# Altium PCB PCBV2.PcbDoc
Units mm, origin at the board's own origin, x right, y up, seen from the top; angles counter-clockwise.
Board outline 46.9 x 40.12 mm, 4 copper layers (Top Layer, GND, GND_2, Bottom Layer), stack 1.556 mm thick; 68 components, 70 nets, 286 pads, 447 vias.
Unrouted connection lines stored in the file: 1.
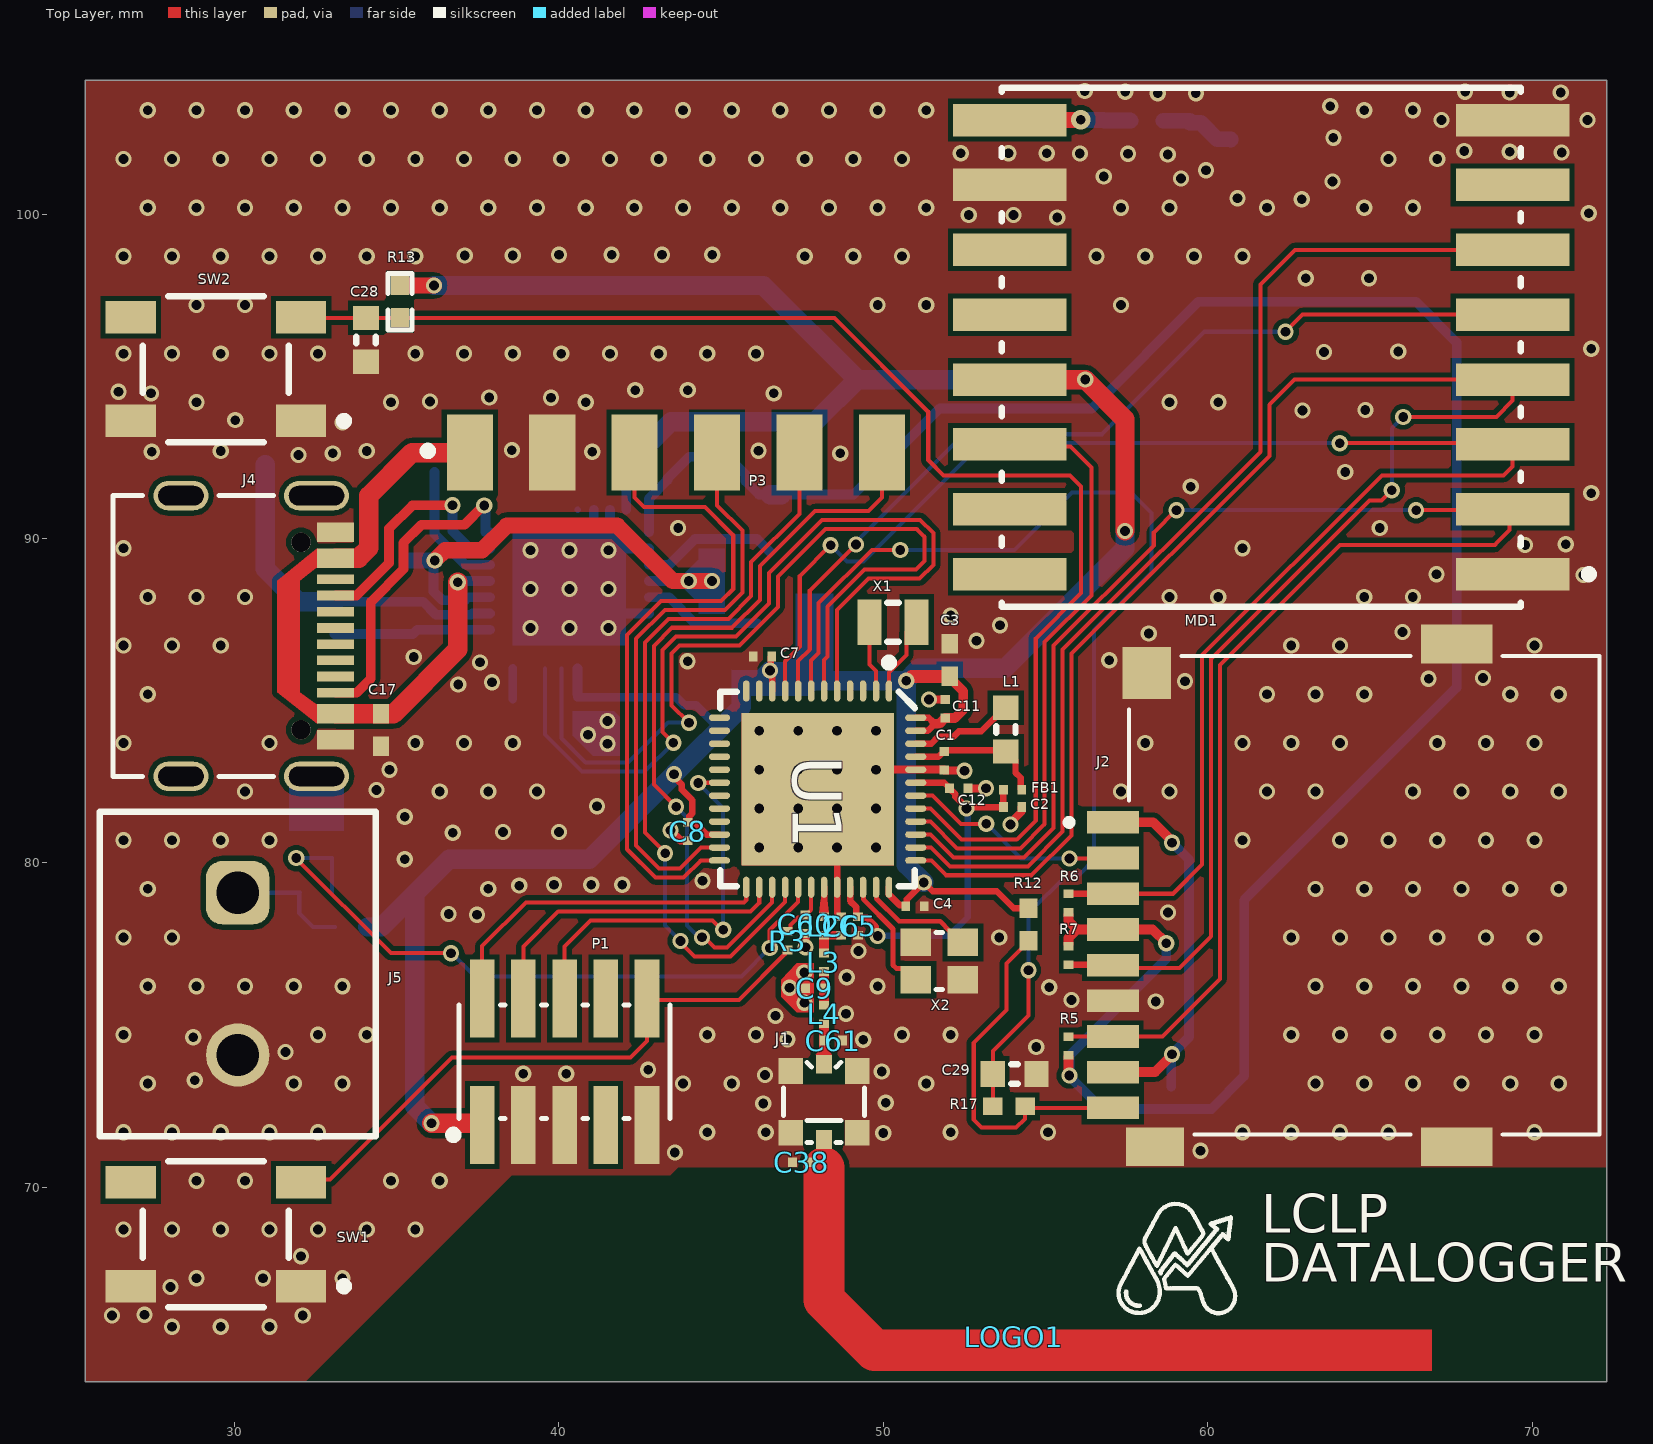
[diagram p0: Top Layer view]
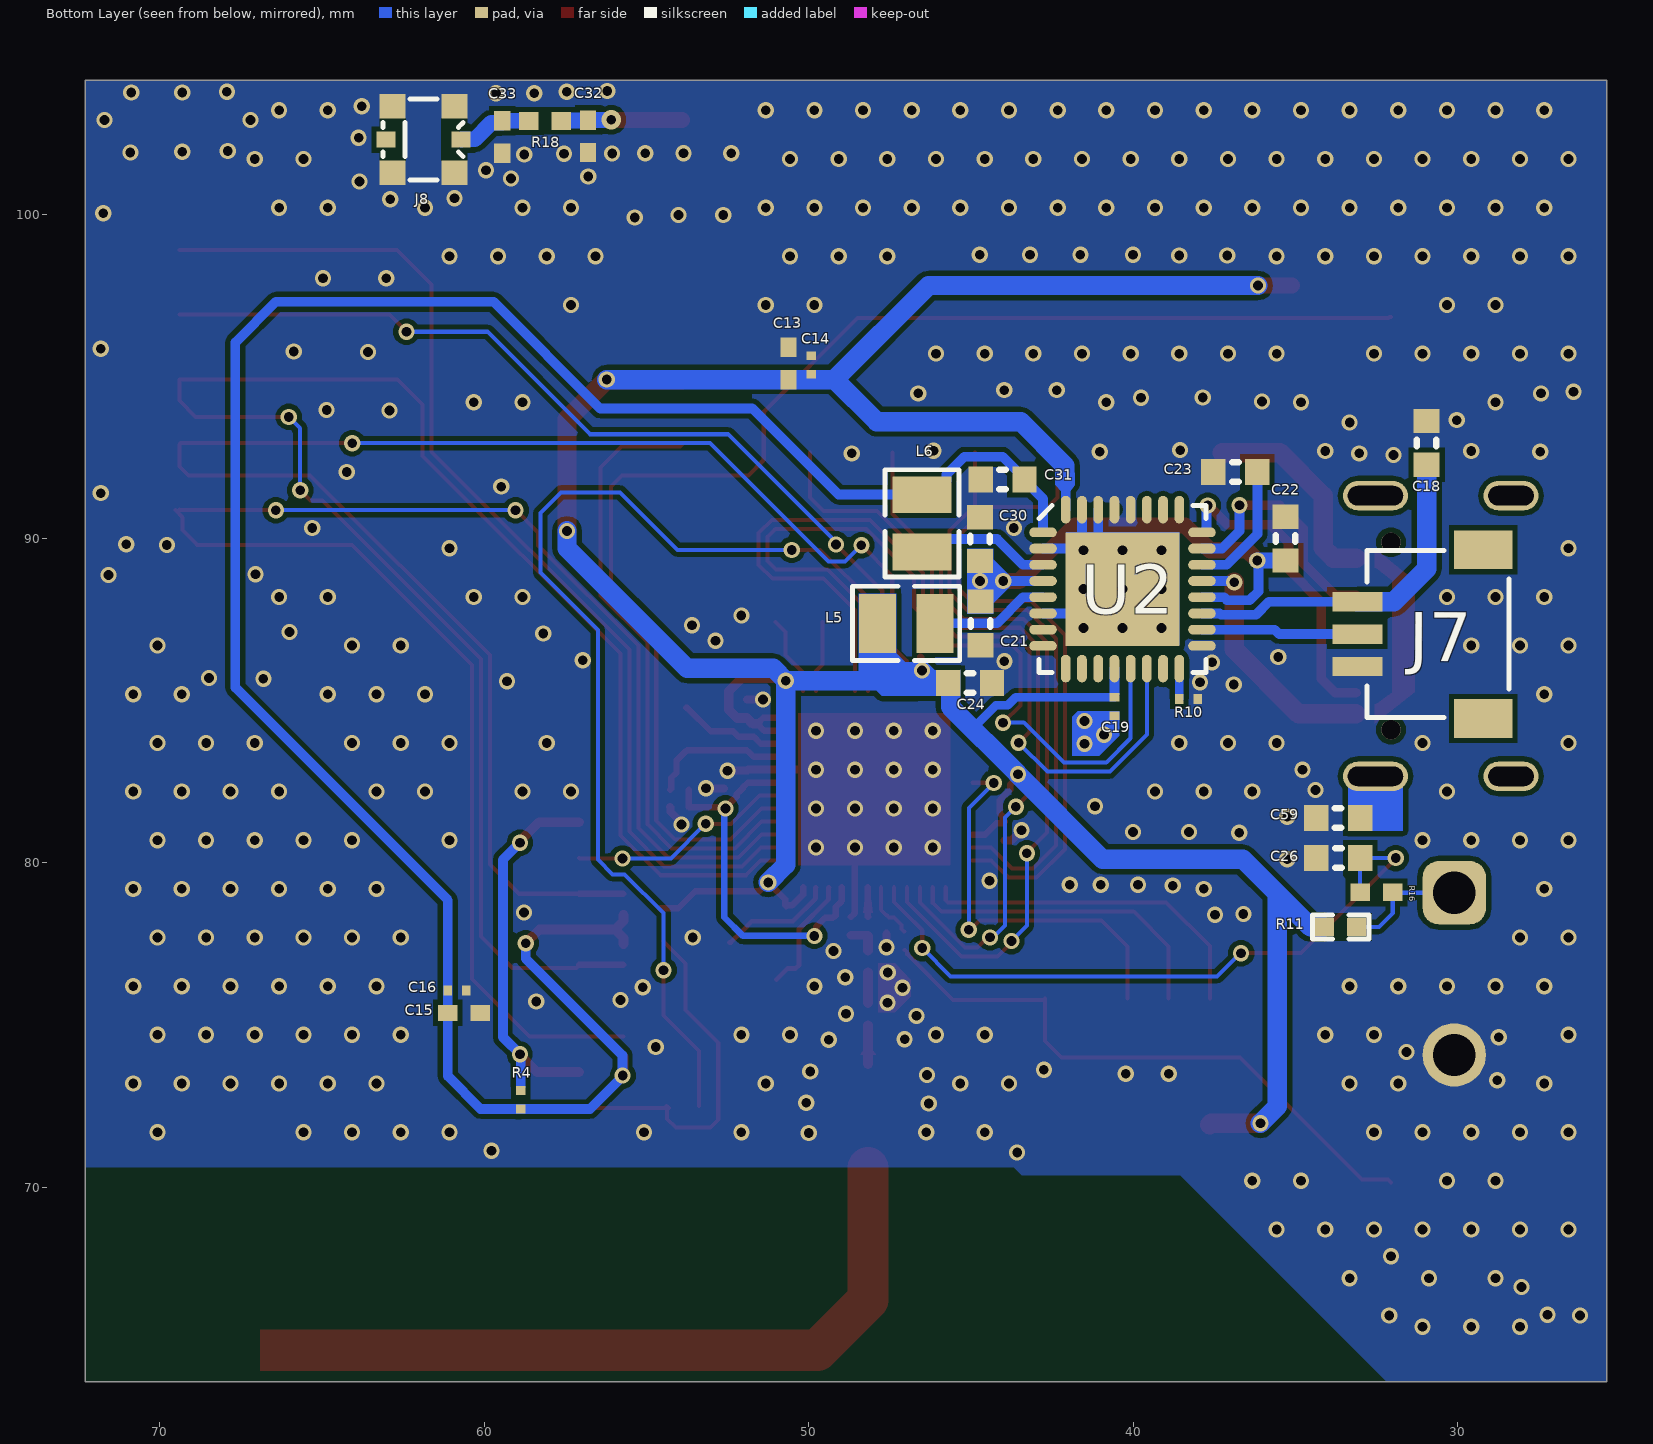
[diagram p1: Bottom Layer view, seen from below]
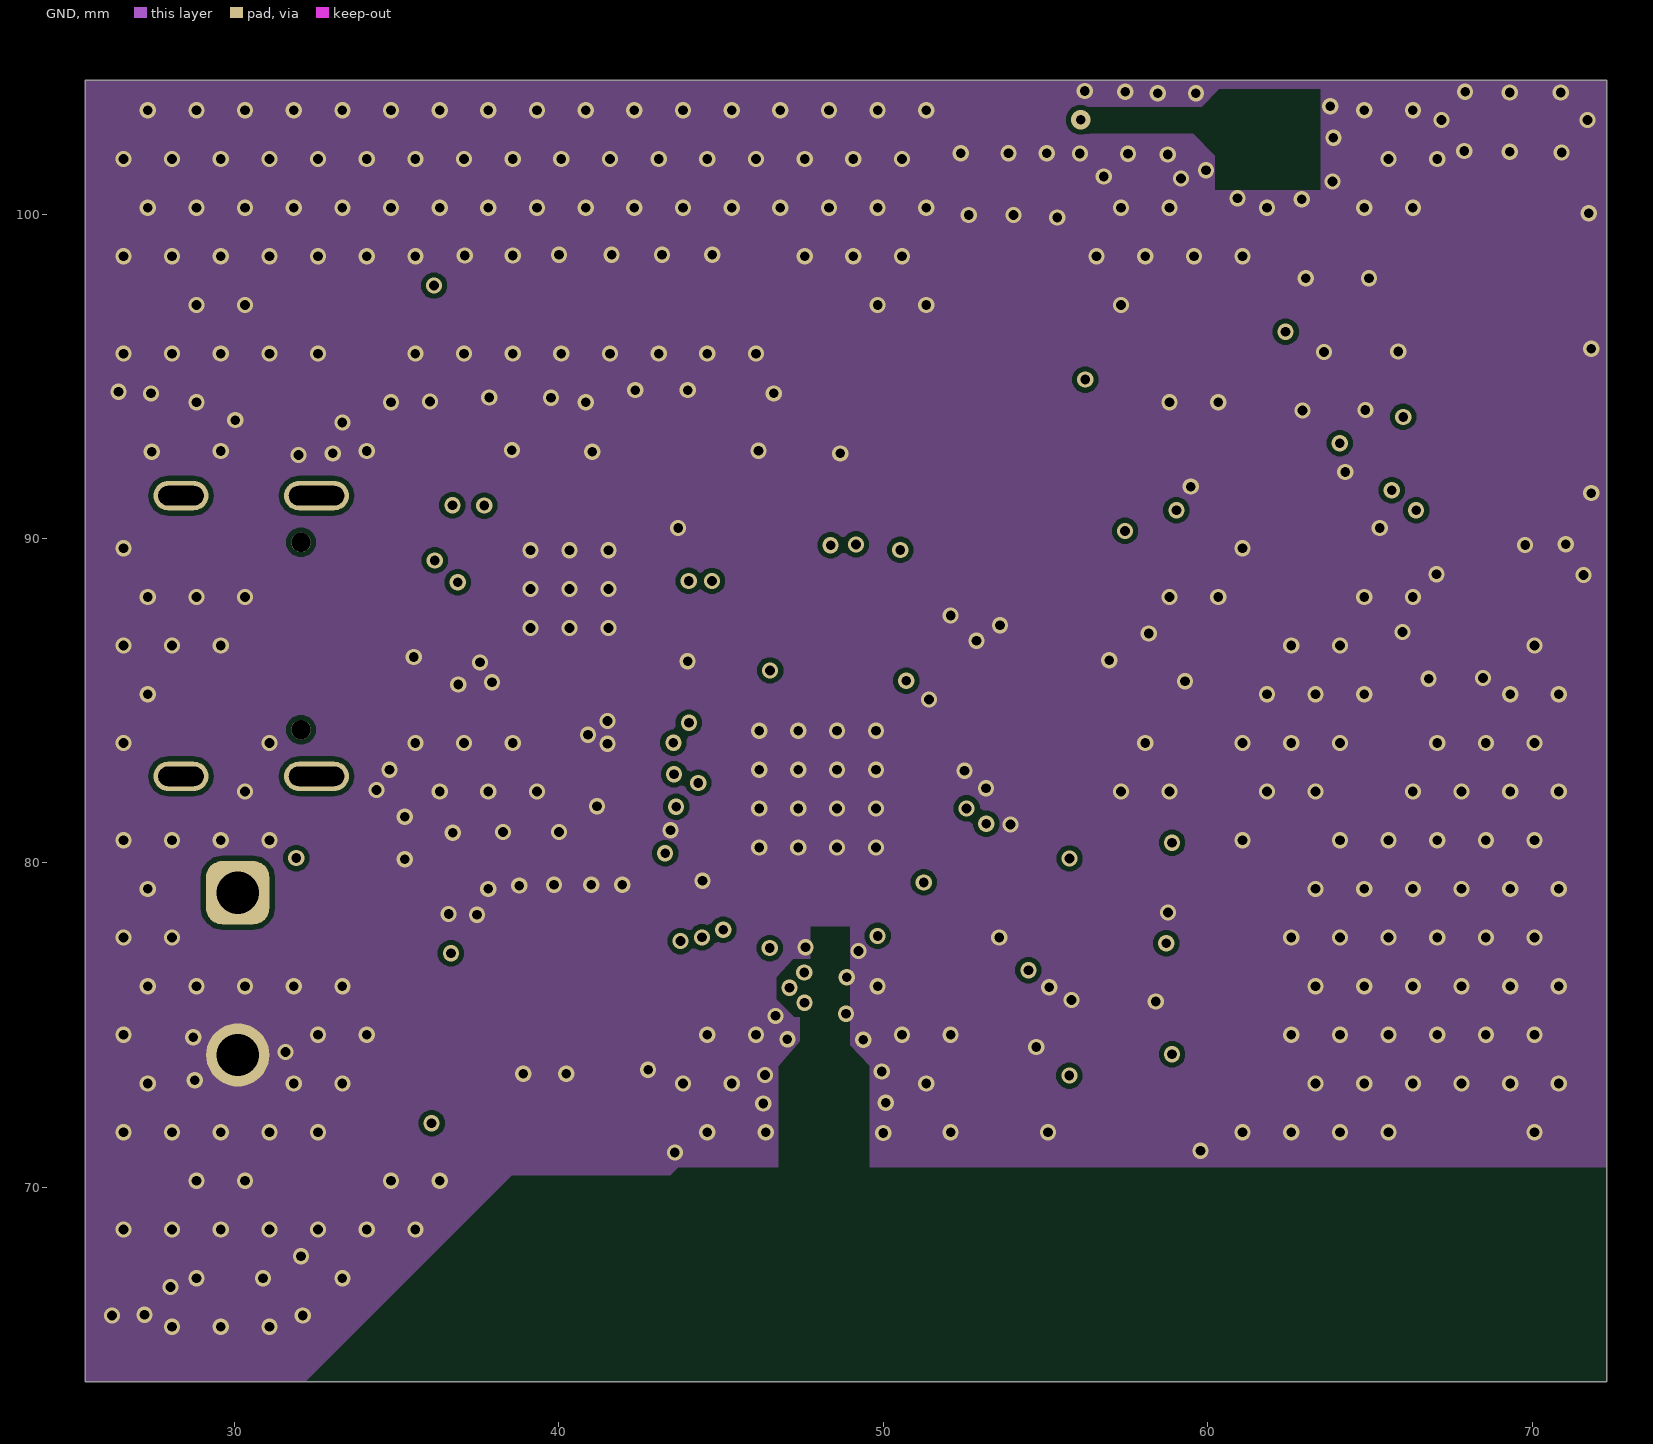
[diagram p2: GND]
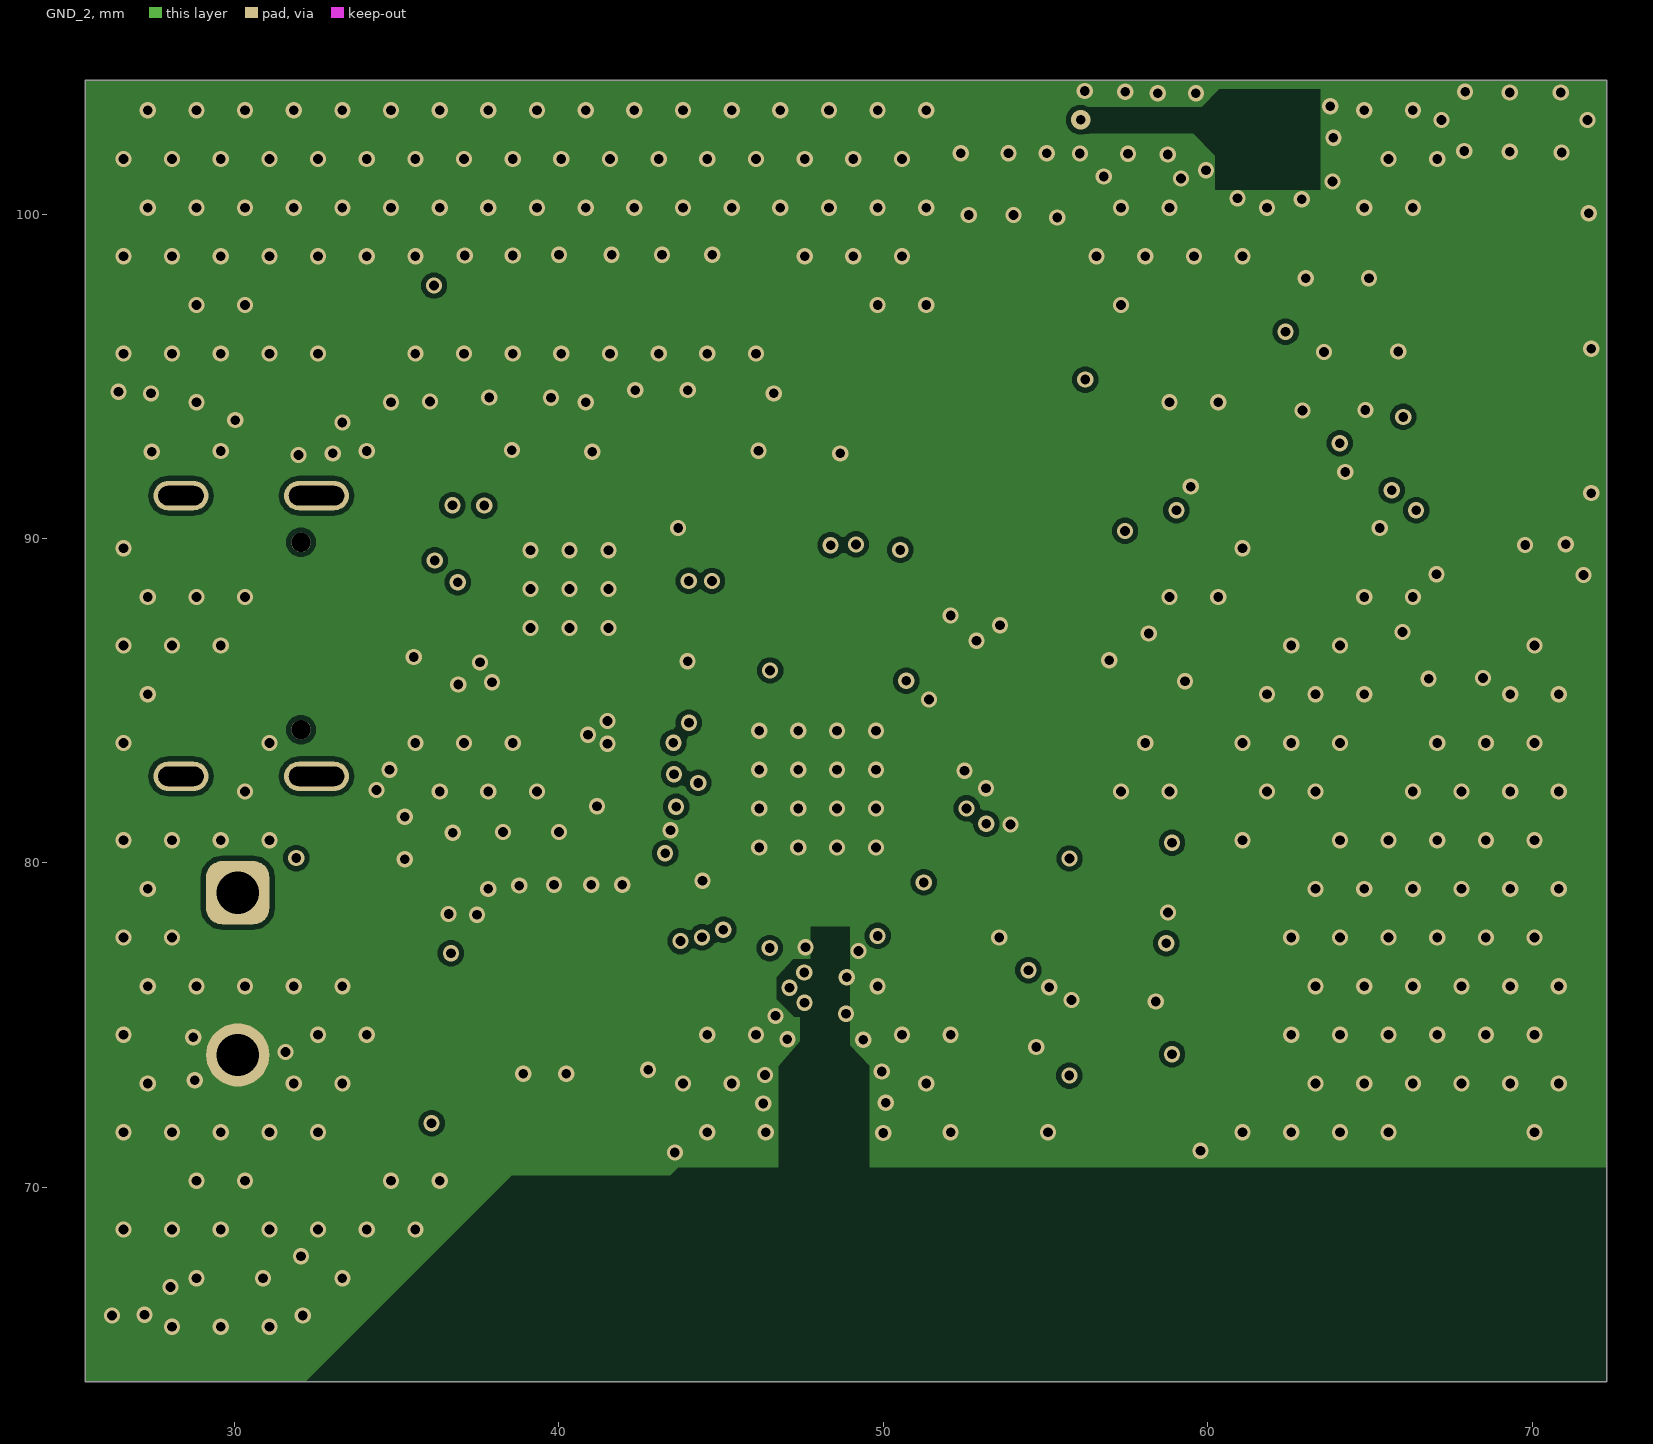
[diagram p3: GND_2]
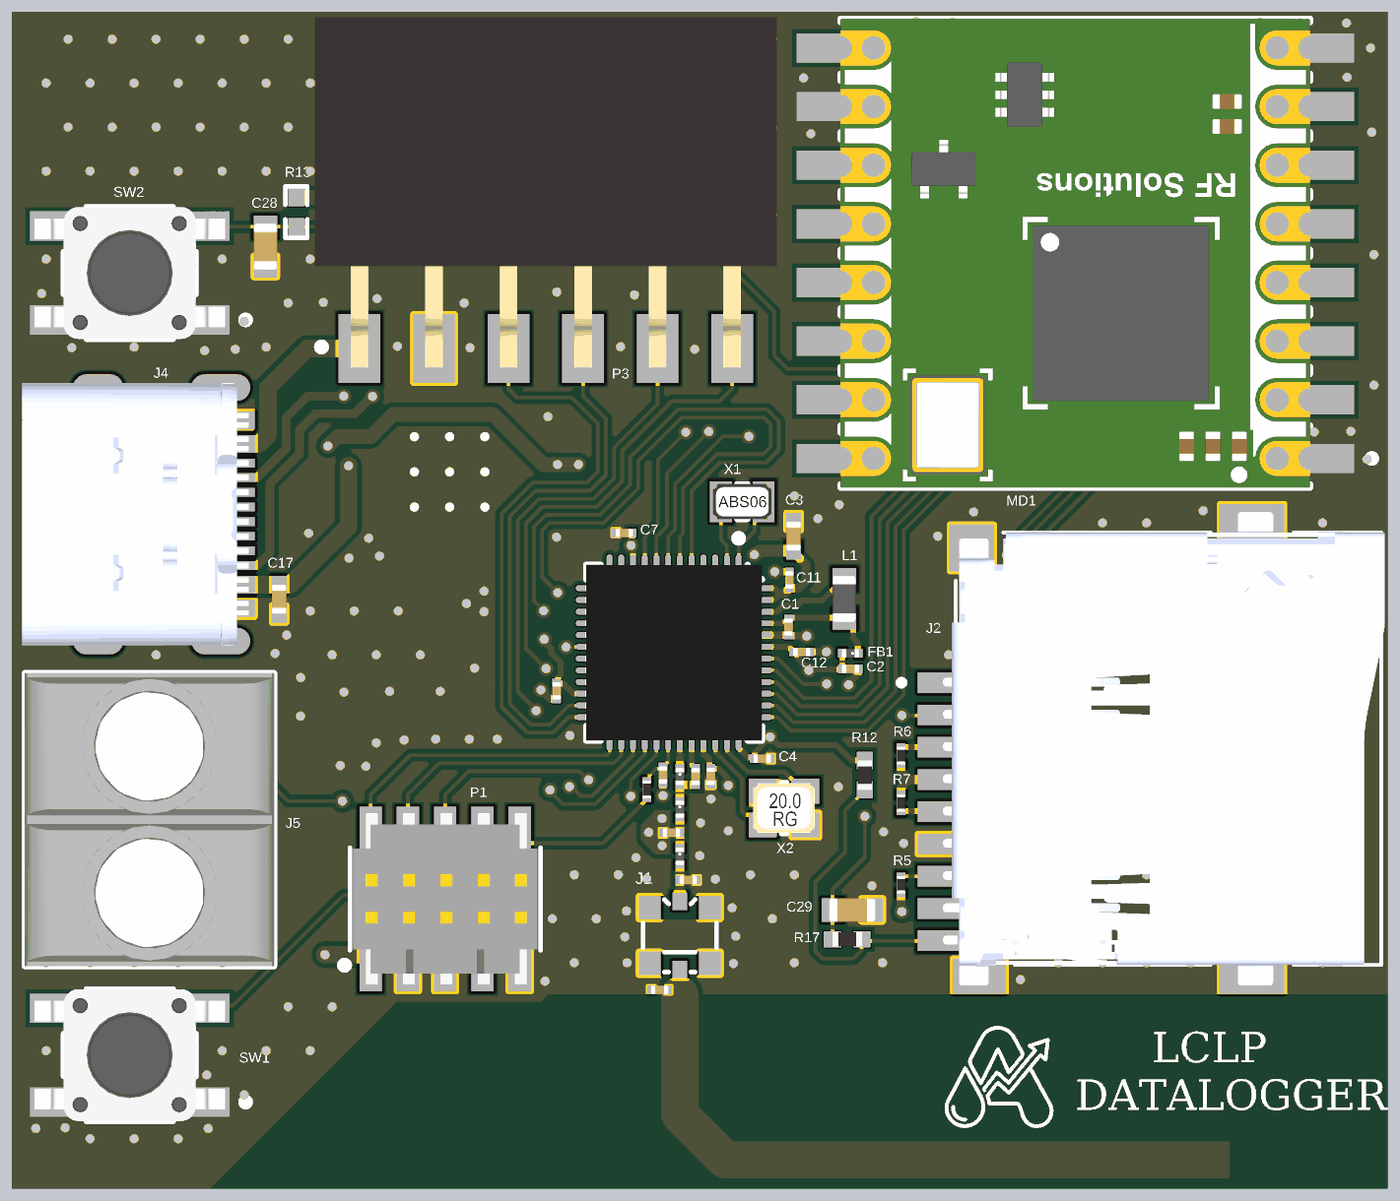
[diagram p4: 3D render of the assembled board from above, using the file's embedded part models]
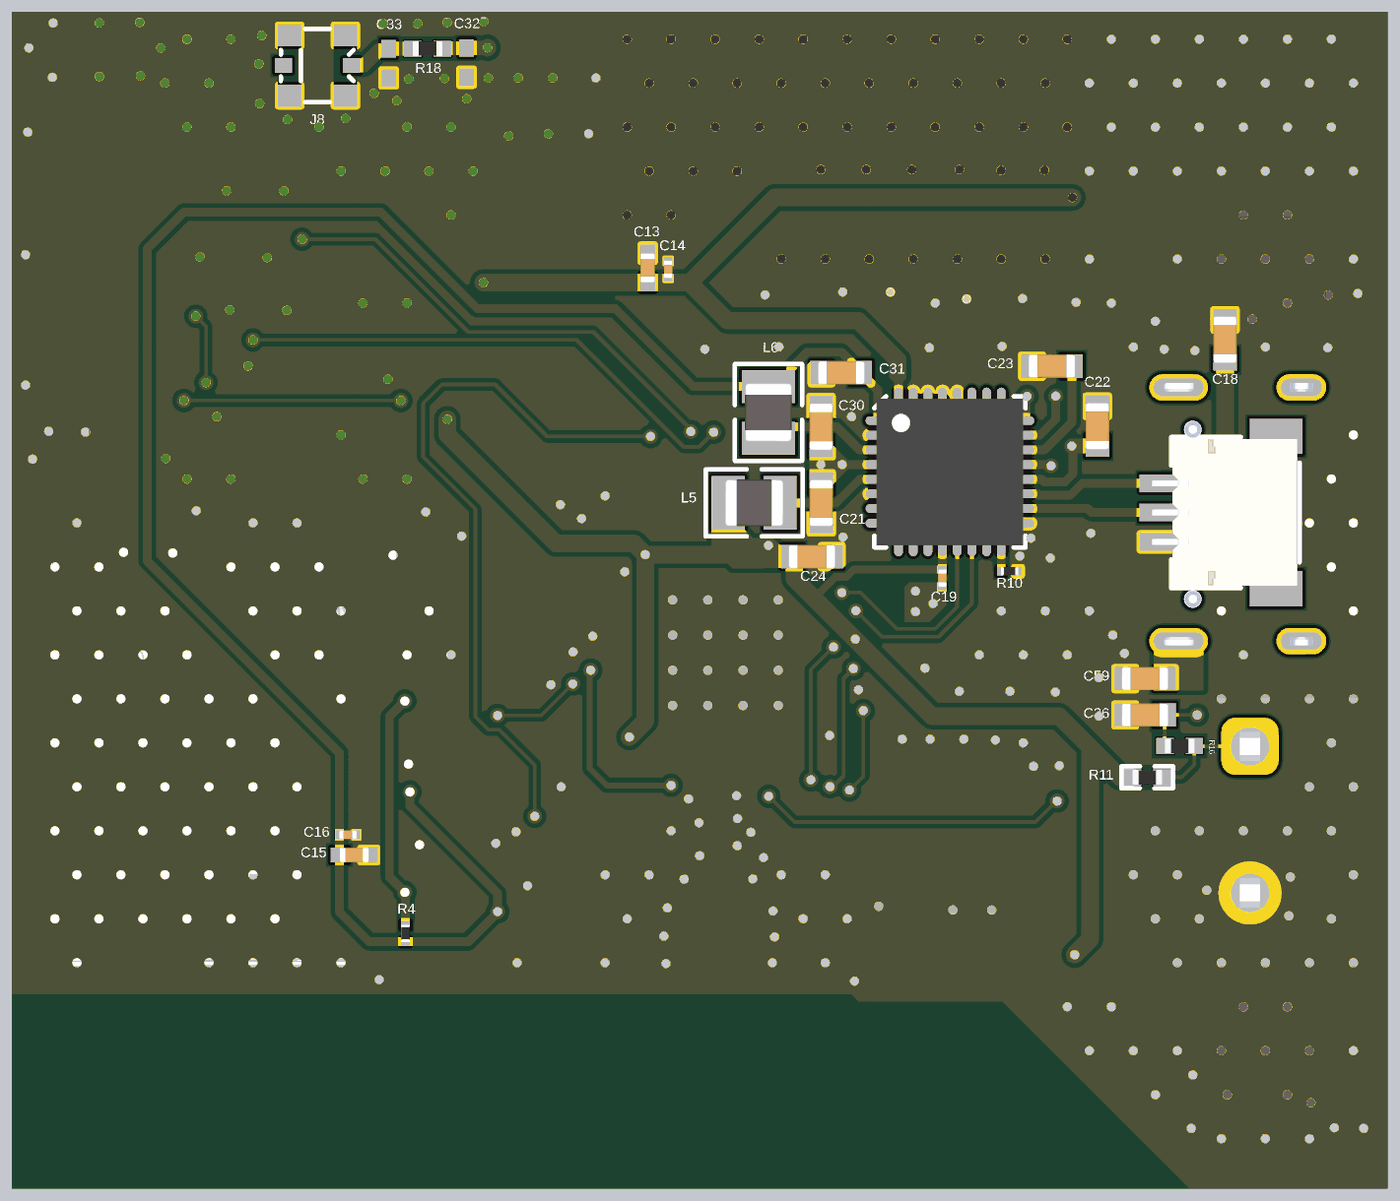
[diagram p5: 3D render of the assembled board from below, using the file's embedded part models]

## Layer stack, top to bottom
Top Solder: solder mask 0.0102, Solder Resist, Dk 3.5
Top Layer: signal copper 0.048
Dielectric 2: prepreg 0.1, PP-021, Dk 4.7
GND: signal copper 0.03
Dielectric 1: core 1.2, Core-042, Dk 4.6
GND_2: signal copper 0.03
Dielectric 3: prepreg 0.1, PP-021, Dk 4.7
Bottom Layer: signal copper 0.048
Bottom Solder: solder mask 0.0102, Solder Resist, Dk 3.5

## Board outline
25.4,64.002 72.3,64.002 72.3,104.125 25.4,104.125

## Design rules (kind name [scope] priority, off if disabled: settings)
Clearance SW2 [InNet('SW2')] p1: gap=0.14 ignorepadtopadclearanceinfootprint=FALSE
Clearance ANT_LoRA [InNet('NetMD1_9') or InNet('NetJ8_1')] p2: gap=0.13 ignorepadtopadclearanceinfootprint=FALSE
Clearance ANT_Clearance [InNet('ANT') or InNet('RF') or InNet('NetC9_2') or InNet('NetC6_2')] p3: gap=0.16 ignorepadtopadclearanceinfootprint=FALSE
Clearance Polygon_Clearence [(InNamedPolygon('Layer1-GND'))or (InNamedPolygon('Layer2-GND'))or   (InNamedPolygon('Layer3-GND'))or   (InNamedPolygon('Layer4-GND'))] p4: gap=0.15 ignorepadtopadclearanceinfootprint=FALSE
Clearance [All] p5: gap=0.15 ignorepadtopadclearanceinfootprint=FALSE
ComponentClearance [All] p1: gap=0.15 collisioncheckmode=3 verticalgap=0.15 showdistances=FALSE
HoleSize [All] p1: absolutevalues=TRUE maxlimit=5 minlimit=0.2 maxpercent=80.000 minpercent=20.000
HoleToHoleClearance [IsThruVia] p1: gap=0.35 allowstackedmicrovias=TRUE
MinimumSolderMaskSliver MinimumSolderMaskSliver_J4 [InComponent('J4') or InComponent('J2')] p1: minsoldermaskwidth=0
MinimumSolderMaskSliver [All] p2: minsoldermaskwidth=0.07
NetAntennae [All] p1: netantennaetolerance=0.3
PolygonConnect PolygonConnect_1 [InNet('GND')] p1: connectstyle=Direct reliefconductorwidth=0.254 reliefentries=4 polygonreliefangle="90 Angle" airgapwidth=0.254
PolygonConnect VSYS_Polygon [InNet('VBUS')] p2: connectstyle=Direct reliefconductorwidth=0.254 reliefentries=4 polygonreliefangle="90 Angle" airgapwidth=0.254
PolygonConnect [All] p3: connectstyle=Relief reliefconductorwidth=0.254 reliefentries=4 polygonreliefangle="90 Angle" airgapwidth=0.254
RoutingVias [All] p1: holewidth=0.25 width=0.5 viastyle="Through Hole" minholewidth=0.2 minwidth=0.25 maxholewidth=0.3 maxwidth=0.75
SilkToSilkClearance [All] p1: silktosilkclearance=0.135
SilkToSolderMaskClearance [IsPad] p1 off: minsilkscreentomaskgap=0.254 clearancetoexposedcopper=TRUE
SolderMaskExpansion [All] p1: expansion=0.102 istentingtop=FALSE
SupplyNets "Schematic Supply Nets_6" [InNet('VSYS')] p1: voltage=0.000
SupplyNets "Schematic Supply Nets_5" [InNet('VBAT')] p2: voltage=0.000
SupplyNets "Schematic Supply Nets_4" [InNet('VDD:SD')] p3: voltage=0.000
SupplyNets "Schematic Supply Nets_3" [InNet('GND')] p4: voltage=0.000
SupplyNets "Schematic Supply Nets_2" [InNet('VBUS')] p5: voltage=0.000
SupplyNets "Schematic Supply Nets_1" [InNet('VBUSOUT')] p6: voltage=0.000
SupplyNets "Schematic Supply Nets" [InNet('VDD:nRF')] p7: voltage=0.000
Width Width_ANT [InNet('NetC32_2') or InNet('NetC33_2')] p1: maxlimit=0.481 minlimit=0.082 preferedwidth=0.481 toplayer_minwidth=0.481 bottomlayer_minwidth=0.481 impedanceprofiledriven=TRUE impedanceprofileid={5107B8CF-0C0A-40AA-954E-6AD38525F156} impedanceprofilevalue=50.000000 minimp=50.000000 maximp=50.000000 favimp=50.000000
Width ANTena [InNet('ANT')] p2: maxlimit=1.3 minlimit=0.254 preferedwidth=1.27
Width Power_Supply [InNetClass('Power')] p3: maxlimit=0.8 minlimit=0.2 preferedwidth=0.2
Width [All] p4: maxlimit=2.5 minlimit=0.125 preferedwidth=0.2 minimp=50.000000 maximp=50.000000 favimp=50.000000
23 further rules are at their usual default settings.

## Classes and differential pairs
net class BUTTONS: DIO0_LoRa nRF54_RESET P0.00 P0.01 P0.02 P0.03 P0.04 P1.04 P1.05 P1.06 P1.07 P1.08 P1.09 P1.10 P1.11 P1.13 P1.14 P2.07 SWDCLK SWDIO
component class PMIC: C17 C18 C19 C21 C22 C23 C24 C30 C31 L5 L6 R10 U2
component class nRF54L15: C1 C2 C3 C4 C5 C6 C7 C8 C9 C11 C12 C38 C60 C61 FB1 J1 L1 L2 L3 L4 R3 U1 X1 X2
component class Misc: C15 C16 C26 C28 C29 C59 J2 J4 J5 J7 P1 P3 R4 R5 R6 R7 R11 R12 R13 R16 R17 SW1 SW2
component class Communications: C13 C14 C32 C33 J8 MD1 R18

## Components (designator, comment, footprint, x,y, rotation, side; value= is the part's Value field where it differs from the comment)
C1 "2.2µF" CAPC0603X03L_C 51.875,83.15 r90 top
C2 "2.2µF" CAPC0603X03L_C 53.986,81.724 r180 top
C3 "10µF" CAPC1005X04L 52.05,86.25 r270 top
C4 "100nF" CAPC0603X03L_C 50.98,78.663 r0 top
C5 "2.2nF" CAPC0603X03L_C 49.223,78.058 r90 top
C6 "1.5pF" CAPC0603X03L_C 48.707,78.053 r270 top
C7 "100nF" CAPC0603X03L_C 46.277,86.362 r180 top
C8 "100nF" CAPC0603X03L_C 43.971,80.97 r270 top
C9 "2.0pF" CAPC0603X03L_C 47.887,76.134 r0 top
C11 "100nF" CAPC0603X03L_C 51.906,84.755 r90 top
C12 "10nF" CAPC0603X03L_C 52.325,82.3 r180 top
C13 "10µF" CAPC1005X04L 50.625,95.4 r270 bottom
C14 "100nF" CAPC0603X03L_C 49.925,95.35 r90 bottom
C15 "10µF" CAPC1005X04L 60.625,75.375 r0 bottom
C16 "100nF" CAPC0603X03L_C 60.84,76.068 r180 bottom
C17 "2.2µF" CAPC1005X04L 34.516,84.096 r90 top
C18 "4.7µF" CAPC1608X06L 30.95,92.95 r270 bottom
C19 "100nF" CAPC0603X03L_C 40.575,84.82 r270 bottom
C21 "10µF" CAPC1608X06L 44.709,87.383 r90 bottom
C22 "10µF" CAPC1608X06L 35.3,90 r270 bottom
C23 "1.0µF" CAPC1608X06L 36.85,92.05 r180 bottom
C24 "10µF" CAPC1608X06L 45.025,85.55 r0 bottom
C26 "68nF" CAPC1608X06L 33.675,80.15 r180 bottom value=10µF
C28 "100nF" CAPC1608X06L 34.05,96.125 r90 top value=10µF
C29 "100nF" CAPC1608X06L 54.05,73.5 r180 top value=10µF
C30 "10µF" CAPC1608X06L 44.715,89.982 r270 bottom
C31 "10µF" CAPC1608X06L 44.025,91.825 r180 bottom
C32 "DNM" CAPC1005X04L_DNM 56.8,102.4 r90 bottom value=2.2µF
C33 "DNM" CAPC1005X04L_DNM 59.45,102.375 r90 bottom value=2.2µF
C38 "1.4pF" CAPC0603X03L_C 47.486,70.776 r0 top
C59 "10nF" CAPC1608X06L 33.676,81.391 r0 bottom
C60 "3.9pF" CAPC0603X03L_C 47.595,78.106 r90 top
C61 "0.3pF" CAPC0603X03L_C 48.455,74.525 r180 top
FB1 "120R/0.2A" INDC0603X03L_C 53.987,82.256 r180 top
J1 "MM8130-2600" COAXIAL-SWF 48.169,72.632 r0 top locked
J2 "MSD-4-A" CUI_MSD-4-A 64.825,79 r90 top locked
J4 "USB-C 2.0" SD-80259-001 30.734,86.995 r270 top locked
J5 "691131710002" 691131710002 30.099,76.581 r270 top locked
J7 "HDR-3, 1mm" SM03B-SRSS-TB 33.085,87.055 r90 bottom locked
J8 "MM8130-2600" COAXIAL-SWF 61.875,102.3 r270 bottom
L1 "4.7µH" INDC1608X06L 53.775,84.11 r270 top
L2 "2.7nH" INDC0603X03L_C 48.171,78.053 r270 top
L3 "3.5nH" INDC0603X03L_C 48.171,76.937 r270 top
L4 "3.5nH" INDC0603X03L_C 48.172,75.329 r270 top
L5 "2.2µH" INDC2016X10N 46.993,87.385 r180 bottom
L6 "2.2µH" INDC2016X10N 46.509,90.469 r270 bottom
LOGO1 "Nordic Logo" LCLP_LOGO 54.025,65.4 r0 top
MD1 "RFM95W-868S2" FP-RFM95W-868S2-MFG 61.65,95.9 r180 top locked
P1 "Pin Header 2x5, 1.27mm" HDR_2x5-SMD-1.27mm-K 40.175,73.875 r0 top locked
P3 "Socket Ang 1x6 SMD" SOCKET_1x6_SMD-ANG 37.255,92.65 r0 top locked value="Socket 1x6, Angled"
R3 "0" RESC0603X03L_C 47.049,77.604 r270 top value=1k
R4 "10k" RESC0603X03L_C 58.875,72.7 r90 bottom
R5 "10k" RESC0603X03L_C 55.712,74.359 r90 top
R6 "10k" RESC0603X03L_C 55.711,78.762 r90 top
R7 "10k" RESC0603X03L_C 55.712,77.148 r270 top
R10 "470k" RESC0603X03L_C 38.292,85.053 r180 bottom value=150k
R11 "180k" RESC1005X04L 33.6,78.025 r0 bottom value=DNM
R12 "1M" RESC1005X04L 54.475,78.1 r90 top value=10k
R13 "DNM" RESC1005X04L_NC 35.1,97.3 r90 top
R16 "180k" RESC1005X04L 32.495,79.094 r180 bottom value=1k
R17 "0" RESC1005X04L 53.875,72.5 r0 top value=1k
R18 "0" RESC1005X04L 58.125,102.875 r180 bottom value=1k
SW1 "PTS647SM38SMTR2LFS" FP-PTS647SM38SMTR2LFS-MFG 29.425,68.55 r180 top locked
SW2 "PTS647SM38SMTR2LFS" FP-PTS647SM38SMTR2LFS-MFG 29.425,95.225 r180 top
U1 "nRF54L15-QFAA" QFN40P600X600X90-48N 47.975,82.275 r270 top locked
U2 "nPM1300-QEAA" NORDIC_QFN50P500X500X90-33N 40.326,88.441 r180 bottom locked
X1 "32.768kHz" XTAL_2012 50.3,87.425 r0 top
X2 "32MHz" BT-XTAL_2016 51.725,76.975 r0 top
